# Altium PCB controller_V1.0.PcbDoc (part 5 of 8)
Units mm, origin at the board's own origin, x right, y up, seen from the top; angles counter-clockwise.
Board outline 284.13 x 175.13 mm, 4 copper layers (Top Layer, GND, VCC, Bottom Layer); 496 components, 415 nets, 1682 pads, 750 vias.
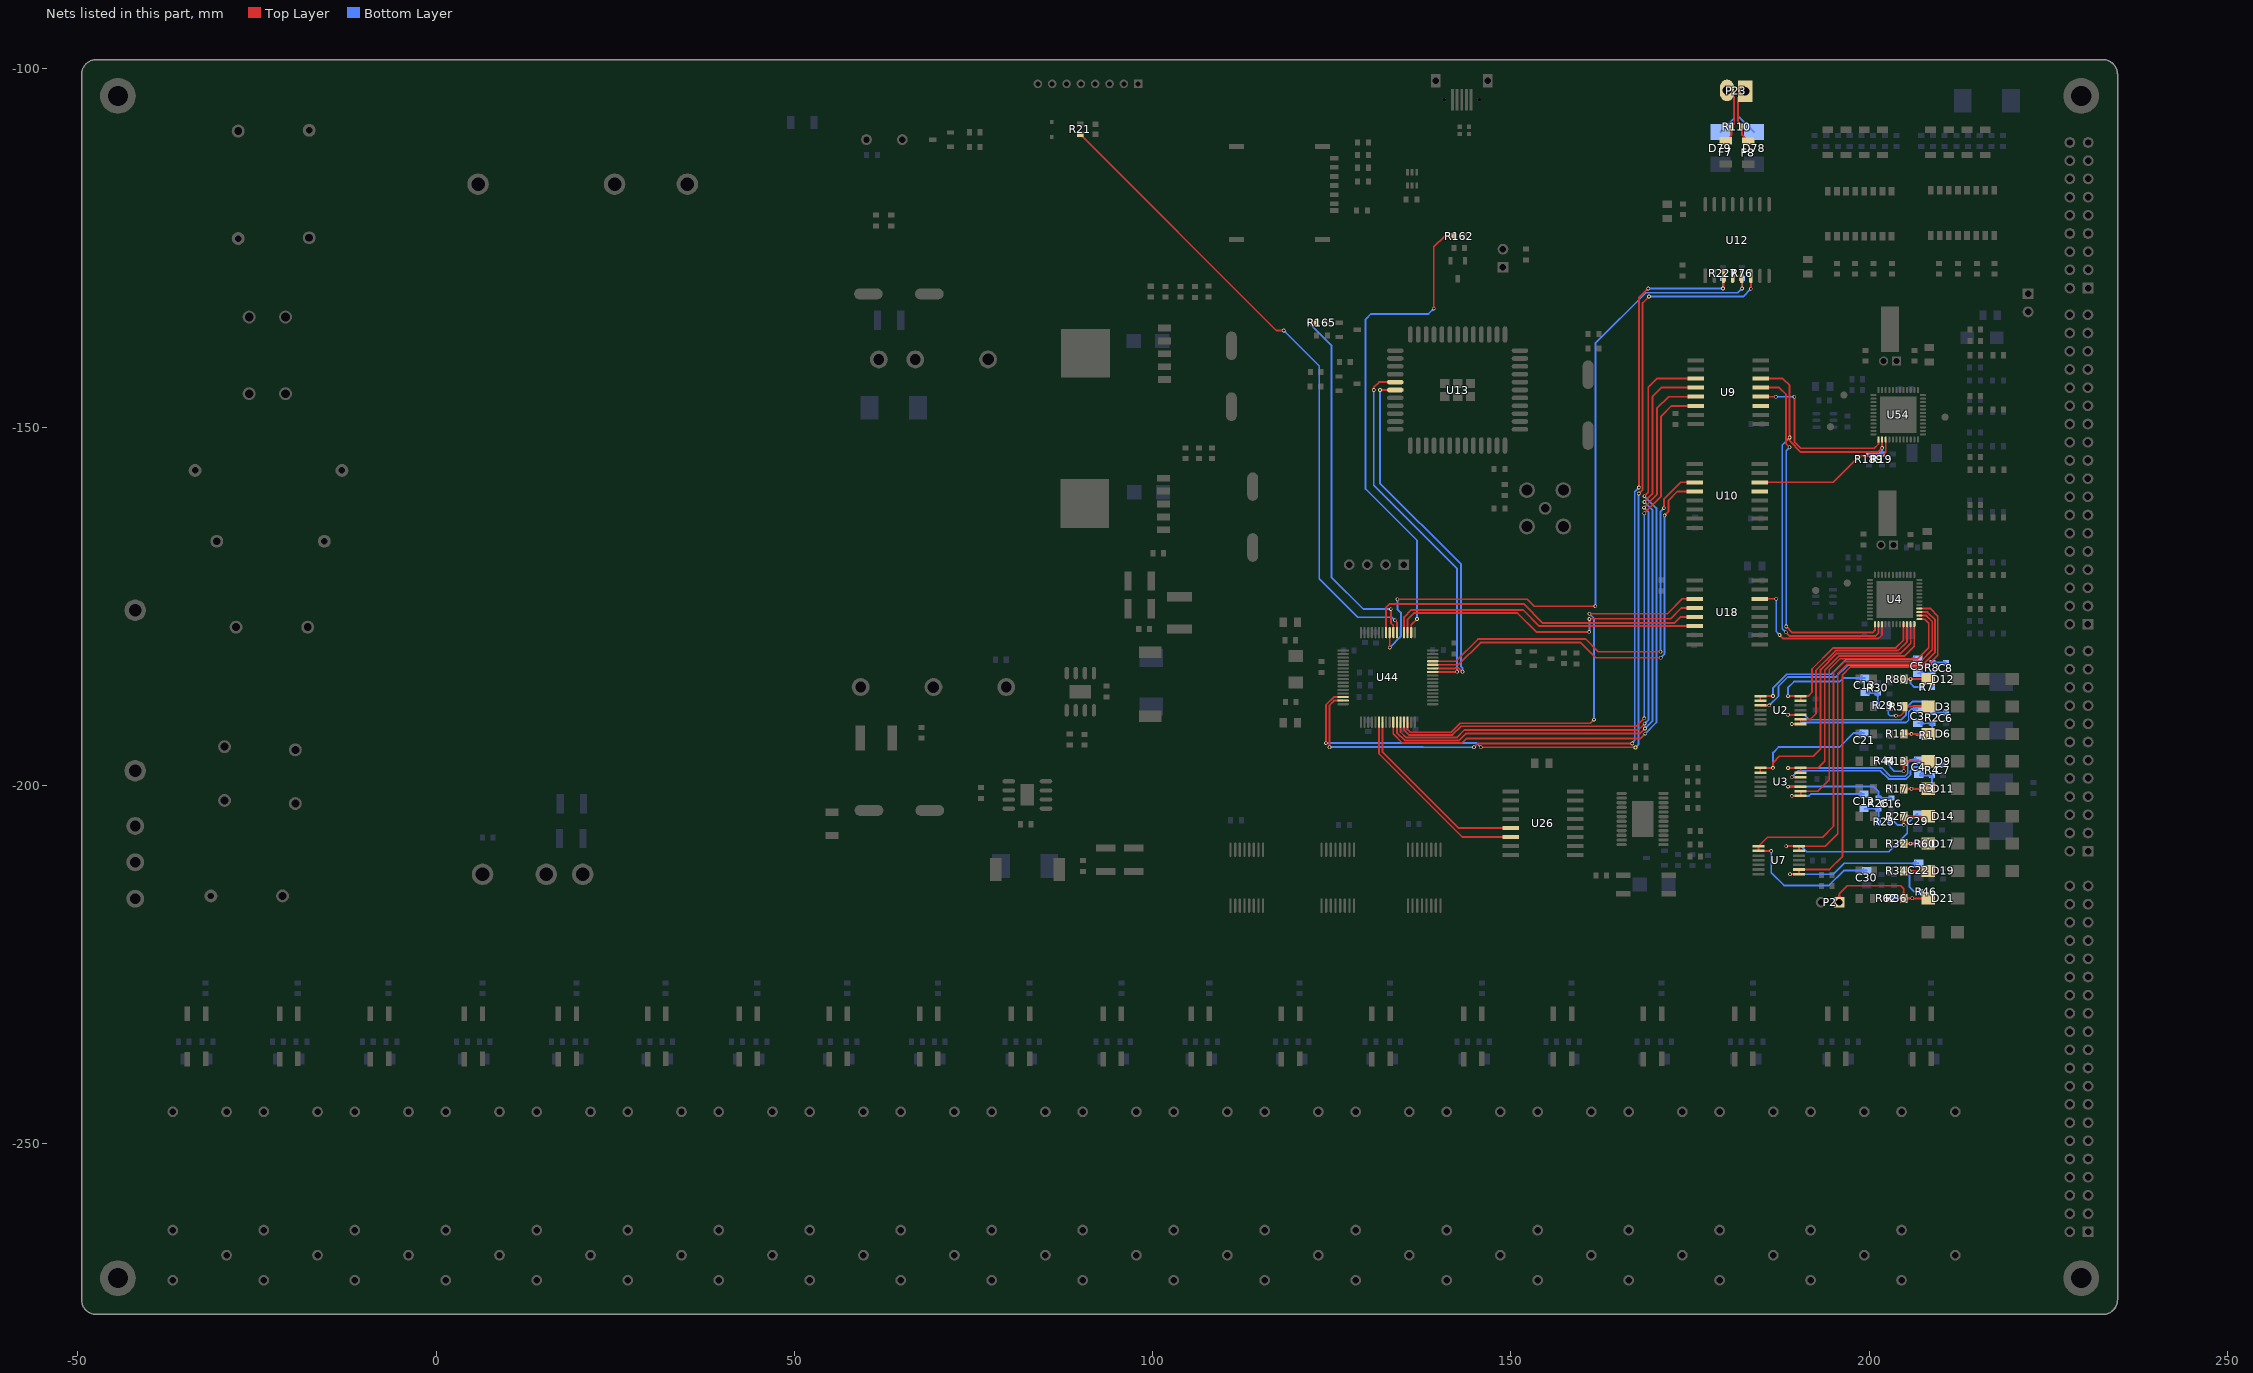
[diagram p7: the nets of this part, all layers, seen from the top]

## Via types
v1: diameter 0.508, hole 0.305, Top Layer to Bottom Layer, tented both sides, 596 vias
v2: diameter 1.016, hole 0.635, Top Layer to Bottom Layer, tented both sides, 65 vias
v3: diameter 0.6, hole 0.3, Top Layer to Bottom Layer, 50 vias
v4: diameter 0.762, hole 0.508, Top Layer to Bottom Layer, tented both sides, 29 vias
v5: diameter 2.032, hole 1.524, Top Layer to Bottom Layer, tented both sides, 4 vias
v6: diameter 3.048, hole 2.032, Top Layer to Bottom Layer, tented both sides, 3 vias
v7: diameter 1.5, hole 1, Top Layer to Bottom Layer, 2 vias
v8: diameter 2.54, hole 1.778, Top Layer to Bottom Layer, tented both sides, 1 vias

## Nets (pads, with @x,y where several pads share a name; then routed paths per layer and width w, separated by ;. In a path a pad name is that pad's centre, name@x,y a point inside that pad or via, vN(x,y) a via of type N, cw(c..) or ccw(c..) an arc to the next point about the centre after c; other vN are vias at no path point) (continued)
LCD_TX: R21.1 U44.54 | length 94.1
  Top Layer w0.254: R21.1@89.913,-109.156 117.282,-136.525 v1(118.313,-136.525) ; R21.1@89.977,-109.41 cw(c89.977,-109.87) 90.302,-109.545 ; R21.1@90.231,-109.156 ccw(c90.997,-109.156) 90.455,-109.699 ; v1@118.223,-136.615 ccw(c118.007,-136.832) 118.007,-136.525 ccw(c118.007,-136.218) v1@118.223,-136.435 ; v1@133.807,-177.089 cw(c133.807,-177.395) 134.024,-177.179 cw(c134.241,-176.962) v1@133.934,-176.962 ; v1(133.807,-176.962) 134.091,-177.246 U44.54@134.091,-178.678
  Bottom Layer w0.254: v1@118.313,-136.652 cw(c118.313,-136.959) 118.53,-136.742 cw(c118.747,-136.525) v1@118.44,-136.525 ; v1(118.313,-136.525) 123.266,-141.478 123.266,-171.171 128.651,-176.555 133.401,-176.555 v1(133.807,-176.962) ; v1@133.68,-176.962 ccw(c133.374,-176.962) 133.59,-176.745 ccw(c133.807,-176.528) v1@133.807,-176.835
LTE_MRX: U13.17 U44.42 | length 53.7
  Top Layer w0.254: v1@130.771,-144.741 ccw(c130.554,-144.524) 130.861,-144.524 ccw(c131.167,-144.524) v1@130.951,-144.741 ; v1(130.861,-144.831) 130.861,-144.475 131.605,-143.731 U13.17@133.868,-143.731 ; U13.17@132.903,-143.871 ccw(c132.565,-144.209) 132.565,-143.731 ccw(c132.565,-143.253) U13.17@132.903,-143.591 ; U44.42@139.091,-184.178 142.466,-184.178 v1(142.494,-184.15) ; 142.119,-184.178 ccw(c142.119,-183.775) v1@142.404,-184.06
  Bottom Layer w0.254: v1@130.771,-144.921 cw(c130.554,-145.137) 130.861,-145.137 cw(c131.167,-145.137) v1@130.951,-144.921 ; v1(130.861,-144.831) 130.861,-158.14 142.494,-169.774 v1(142.494,-184.15) ; v1@142.404,-184.06 ccw(c142.187,-183.843) 142.494,-183.843 ccw(c142.801,-183.843) v1@142.584,-184.06
LTE_MTX: U13.18 U44.43 | length 53.2
  Top Layer w0.254: v1(131.724,-144.831) U13.18@133.868,-144.831 ; v1@131.814,-144.921 cw(c132.031,-145.137) 132.031,-144.831 cw(c132.031,-144.524) v1@131.814,-144.741 ; U13.18@132.903,-144.971 ccw(c132.565,-145.309) 132.565,-144.831 ccw(c132.565,-144.353) U13.18@132.903,-144.691 ; U44.43@139.127,-183.642 U44.43@139.091,-183.678 142.247,-183.678 142.284,-183.642 142.704,-183.642 143.212,-184.15 v1(143.256,-184.15) ; 142.965,-183.902 ccw(c143.256,-183.611) v1@143.256,-184.023
  Bottom Layer w0.254: v1@131.635,-144.921 cw(c131.418,-145.137) 131.724,-145.137 cw(c132.031,-145.137) v1@131.814,-144.921 ; v1(131.724,-144.831) 131.724,-157.836 143.053,-169.164 143.053,-183.464 143.256,-183.667 v1(143.256,-184.15) ; v1@143.166,-184.06 ccw(c142.949,-183.843) 143.256,-183.843 ccw(c143.563,-183.843) v1@143.346,-184.06
LTE_PWR_CTRL: R162.1 U44.50 | length 72
  Top Layer w0.254: U44.50@136.091,-178.678 136.091,-177.599 v1(136.906,-176.784) ; v1@136.779,-176.784 cw(c136.472,-176.784) 136.689,-177.001 cw(c136.906,-177.218) v1@136.906,-176.911 ; v1@139.153,-133.387 ccw(c138.936,-133.17) 139.243,-133.17 ccw(c139.549,-133.17) v1@139.333,-133.387 ; v1(139.243,-133.477) 139.243,-124.866 140.741,-123.368 R162.1@142.06,-123.368 ; R162.1@141.902,-123.525 ccw(c141.521,-123.906) 141.521,-123.368 ccw(c141.521,-122.829) R162.1@141.902,-123.21
  Bottom Layer w0.254: v1@136.816,-176.694 ccw(c136.599,-176.477) 136.906,-176.477 ccw(c137.213,-176.477) v1@136.996,-176.694 ; v1(136.906,-176.784) 136.906,-165.837 129.718,-158.648 129.718,-134.976 130.48,-134.214 138.506,-134.214 v1(139.243,-133.477) ; v1@139.116,-133.477 cw(c138.809,-133.477) 139.026,-133.694 cw(c139.243,-133.911) v1@139.243,-133.604
LTE_RST: R165.1 U44.55 | length 54.2
  Top Layer w0.254: v1(121.818,-135.433) R165.1@122.883,-135.433 ; v1@121.908,-135.523 cw(c122.125,-135.739) 122.125,-135.433 cw(c122.125,-135.126) v1@121.908,-135.343 ; R165.1@122.725,-135.59 ccw(c122.344,-135.971) 122.344,-135.433 ccw(c122.344,-134.894) R165.1@122.725,-135.275 ; v1@133.159,-175.502 cw(c132.942,-175.719) 133.248,-175.719 cw(c133.555,-175.719) v1@133.338,-175.502 ; v1(133.248,-175.412) 133.248,-177.343 133.591,-177.685 U44.55@133.591,-178.678
  Bottom Layer w0.254: v1@121.818,-135.56 cw(c121.818,-135.866) 122.035,-135.65 cw(c122.252,-135.433) v1@121.945,-135.433 ; v1(121.818,-135.433) 124.959,-138.573 124.959,-170.942 129.429,-175.412 v1(133.248,-175.412) ; v1@133.159,-175.502 ccw(c132.942,-175.719) 132.942,-175.412 ccw(c132.942,-175.106) v1@133.159,-175.323
MAIN0: C5.2 U2.8 U2.9 | length 27.8
  Top Layer w0.254: U2.9@184.808,-188.192 U2.8@184.808,-187.542 186.585,-187.542 v1(186.588,-187.539) ; 186.273,-187.542 ccw(c186.273,-187.223) v1@186.499,-187.449 ; 186.291,-187.542 cw(c186.291,-187.836) v1@186.499,-187.628
  Bottom Layer w0.254: v1@186.499,-187.449 ccw(c186.282,-187.232) 186.588,-187.232 ccw(c186.895,-187.232) v1@186.678,-187.449 ; v1(186.588,-187.539) 186.588,-186.411 188.493,-184.506 194.716,-184.506 196.869,-182.353 C5.2@206.781,-182.353 ; C5.2@206.368,-182.617 ccw(c205.731,-183.254) 205.731,-182.353 ccw(c205.731,-181.453) C5.2@206.368,-182.089
MAIN1: C13.2 U2.6 U2.7 U4.33 | length 39
  Top Layer w0.254: v1(188.666,-187.546) 188.67,-187.542 U2.7@190.447,-187.542 ; v1@188.756,-187.636 cw(c188.982,-187.862) 188.982,-187.542 ; v1@188.756,-187.456 ccw(c188.963,-187.249) 188.963,-187.542 ; U2.6@190.447,-188.192 U2.7@190.447,-187.542 ; U4.33@204.795,-177.516 204.795,-179.761 203.733,-180.823 194.97,-180.823 192.024,-183.769 192.024,-186.995 191.476,-187.542 U2.7@190.447,-187.542
  Bottom Layer w0.254: v1@188.576,-187.456 ccw(c188.359,-187.24) 188.666,-187.24 ccw(c188.973,-187.24) v1@188.756,-187.456 ; v1(188.666,-187.546) 188.666,-186.365 189.509,-185.522 195.859,-185.522 196.352,-185.029 C13.2@199.413,-185.029 ; C13.2@198.999,-185.292 ccw(c198.362,-185.929) 198.362,-185.029 ccw(c198.362,-184.128) C13.2@198.999,-184.765
MAIN2: C3.2 U2.1 U2.2 U4.34 | length 48.4
  Top Layer w0.254: v1(189.207,-191.442) U2.1@190.447,-191.442 U2.2@190.447,-190.792 191.808,-190.792 192.583,-190.017 192.583,-183.941 195.321,-181.204 204.025,-181.204 205.295,-179.934 U4.34@205.295,-177.516 ; v1@189.297,-191.532 cw(c189.514,-191.749) 189.514,-191.442 cw(c189.514,-191.136) v1@189.297,-191.353
  Bottom Layer w0.254: v1(189.207,-191.442) 190.447,-191.442 190.652,-191.237 205.161,-191.237 205.511,-190.886 205.511,-189.713 205.877,-189.347 ; v1@189.297,-191.532 cw(c189.514,-191.749) 189.514,-191.442 cw(c189.514,-191.136) v1@189.297,-191.353 ; C3.2@206.335,-189.573 ccw(c205.877,-189.922) 205.877,-189.347 ; C3.2@206.335,-189.12 cw(c205.877,-188.771) 205.877,-189.347 ; C3.2@206.781,-189.347 205.877,-189.347
MAIN3: C21.2 U3.8 U3.9 U4.35 | length 57.3
  Top Layer w0.254: U3.9@184.808,-198.225 U3.8@184.808,-197.575 v1@186.585,-197.575 ; 186.273,-197.575 ccw(c186.273,-197.256) 186.499,-197.482 ccw(c186.291,-197.274) 186.585,-197.274 ; 186.291,-197.575 cw(c186.291,-197.869) v1@186.499,-197.661 ; 186.585,-197.256 ccw(c186.904,-197.256) v1@186.678,-197.482 ; v1(186.588,-197.572) v1@186.585,-197.575 ; U4.35@205.795,-177.516 205.795,-180.188 204.398,-181.585 195.478,-181.585 193.218,-183.845 193.218,-194.92 192.202,-195.936 187.474,-195.936 186.585,-196.825 v1@186.585,-197.575
  Bottom Layer w0.254: v1@186.499,-197.482 ccw(c186.282,-197.265) 186.588,-197.265 ccw(c186.895,-197.265) v1@186.678,-197.482 ; v1(186.588,-197.572) 186.588,-195.428 187.35,-194.666 195.859,-194.666 197.805,-192.72 C21.2@199.288,-192.72 ; C21.2@198.875,-192.983 ccw(c198.238,-193.62) 198.238,-192.72 ccw(c198.238,-191.819) C21.2@198.875,-192.456
MAIN4: C4.2 U3.6 U3.7 U4.36 | length 58.8
  Top Layer w0.254: v1(188.666,-197.579) 188.67,-197.575 U3.7@190.447,-197.575 ; v1@188.756,-197.669 cw(c188.982,-197.895) 188.982,-197.575 ; v1@188.756,-197.489 ccw(c188.963,-197.282) 188.963,-197.575 ; U3.6@190.447,-198.225 U3.7@190.447,-197.575 ; U4.36@206.295,-177.516 206.295,-180.569 204.898,-181.966 195.767,-181.966 193.802,-183.931 193.802,-196.647 192.873,-197.575 U3.7@190.447,-197.575
  Bottom Layer w0.254: v1(188.666,-197.579) 201.821,-197.579 202.971,-198.73 205.003,-198.73 205.384,-198.349 205.384,-196.825 205.759,-196.45 C4.2@206.906,-196.45 ; v1@188.756,-197.669 cw(c188.973,-197.886) 188.973,-197.579 cw(c188.973,-197.273) v1@188.756,-197.489 ; C4.2@206.492,-196.714 ccw(c205.855,-197.351) 205.855,-196.45 ccw(c205.855,-195.55) C4.2@206.492,-196.186
MAIN5: C12.2 U3.1 U3.2 U4.37 | length 54.6
  Top Layer w0.254: v1(189.207,-201.475) U3.1@190.447,-201.475 U3.2@190.447,-200.825 192.113,-200.825 192.849,-200.825 194.437,-199.238 194.437,-183.834 195.925,-182.347 206.781,-182.347 208.305,-180.823 208.305,-177.394 207.728,-176.816 U4.37@206.995,-176.816 ; v1@189.297,-201.565 cw(c189.514,-201.782) 189.514,-201.475 cw(c189.514,-201.169) v1@189.297,-201.386
  Bottom Layer w0.254: v1(189.207,-201.475) 191.59,-201.475 191.836,-201.229 C12.2@199.288,-201.229 ; v1@189.297,-201.565 cw(c189.514,-201.782) 189.514,-201.475 cw(c189.514,-201.169) v1@189.297,-201.386 ; C12.2@198.875,-201.492 ccw(c198.238,-202.129) 198.238,-201.229 ccw(c198.238,-200.328) C12.2@198.875,-200.965
MAIN6: C29.2 U4.39 U7.6 U7.7 | length 75.5
  Top Layer w0.254: v1(188.412,-208.501) 188.416,-208.497 U7.7@190.193,-208.497 ; v1@188.502,-208.591 cw(c188.728,-208.817) 188.728,-208.497 ; v1@188.502,-208.411 ccw(c188.709,-208.204) 188.709,-208.497 ; U7.6@190.193,-209.147 U7.7@190.193,-208.497 ; U4.39@206.995,-175.816 208.125,-175.816 209.194,-176.886 209.194,-181.458 207.543,-183.109 196.952,-183.109 195.605,-184.455 195.605,-206.756 193.864,-208.497 193.331,-208.497 U7.7@190.193,-208.497
  Bottom Layer w0.254: v1(188.412,-208.501) 190.518,-208.501 191.287,-209.271 202.717,-209.271 205.324,-206.664 205.324,-205.363 206.665,-204.023 C29.2@206.779,-204.023 ; v1@188.502,-208.591 cw(c188.719,-208.808) 188.719,-208.501 cw(c188.719,-208.195) v1@188.502,-208.411
MAIN7: C22.2 U4.40 U7.1 U7.2 | length 77.9
  Top Layer w0.254: v1(188.953,-212.397) U7.1@190.193,-212.397 U7.2@190.193,-211.747 192.494,-211.747 194.449,-211.747 196.291,-209.906 196.291,-184.556 197.358,-183.49 207.924,-183.49 209.575,-181.839 209.575,-176.378 208.514,-175.316 U4.40@206.995,-175.316 ; v1@189.043,-212.487 cw(c189.26,-212.704) 189.26,-212.397 cw(c189.26,-212.091) v1@189.043,-212.308
  Bottom Layer w0.254: v1(188.953,-212.397) 194.978,-212.397 196.494,-210.881 C22.2@206.906,-210.881 ; v1@189.043,-212.487 cw(c189.26,-212.704) 189.26,-212.397 cw(c189.26,-212.091) v1@189.043,-212.308 ; C22.2@206.492,-211.144 ccw(c205.855,-211.781) 205.855,-210.881 ccw(c205.855,-209.98) C22.2@206.492,-210.617
MAIN8: C30.2 U4.38 U7.8 U7.9 | length 77.1
  Top Layer w0.254: 186.019,-209.147 ccw(c186.019,-208.828) v1@186.245,-209.054 ; 186.037,-209.147 cw(c186.037,-209.441) v1@186.245,-209.233 ; v1(186.334,-209.144) 186.331,-209.147 U7.9@184.554,-209.147 U7.8@184.554,-208.497 185.813,-207.239 193.497,-207.239 195.021,-205.715 195.021,-184.201 196.494,-182.728 207.162,-182.728 208.813,-181.077 208.813,-177.14 207.99,-176.316 U4.38@206.995,-176.316
  Bottom Layer w0.254: v1@186.245,-209.233 cw(c186.028,-209.45) 186.334,-209.45 cw(c186.641,-209.45) v1@186.424,-209.233 ; v1(186.334,-209.144) 186.334,-212.192 188.112,-213.97 194.396,-213.97 196.469,-211.897 C30.2@199.669,-211.897 ; C30.2@199.256,-212.16 ccw(c198.619,-212.797) 198.619,-211.897 ccw(c198.619,-210.996) C30.2@199.256,-211.633
MB_RX1: R227.1 U12.3 U44.15 | length 135.7
  Top Layer w0.254: v1@124.599,-194.601 ccw(c124.382,-194.384) 124.689,-194.384 ccw(c124.995,-194.384) v1@124.778,-194.601 ; v1(124.689,-194.691) 124.689,-188.824 125.334,-188.178 U44.15@126.591,-188.178 ; v1(144.856,-194.691) 145.39,-194.158 v1(166.929,-194.158) ; v1@144.856,-194.564 ccw(c144.856,-194.257) 145.073,-194.474 ccw(c145.29,-194.691) v1@144.983,-194.691 ; v1@166.839,-194.247 ccw(c166.622,-194.464) 166.622,-194.158 ccw(c166.622,-193.851) v1@166.839,-194.068 ; v1@167.779,-158.355 ccw(c167.562,-158.139) 167.869,-158.139 ccw(c168.175,-158.139) v1@167.958,-158.355 ; v1(167.869,-158.445) 167.869,-131.953 v1@169.113,-130.708 ; v1@169.037,-130.658 cw(c168.73,-130.658) 168.947,-130.874 cw(c169.164,-131.091) v1@169.164,-130.785 ; v1@179.514,-130.568 ccw(c179.119,-130.173) 179.677,-130.173 ; U12.3@179.59,-129.742 cw(c179.38,-129.952) 179.677,-129.952 cw(c179.974,-129.952) U12.3@179.764,-129.742 ; v1@179.677,-130.584 U12.3@179.677,-128.905
  Bottom Layer w0.254: v1@124.714,-194.666 137.726,-194.666 ; v1@124.778,-194.781 cw(c125.057,-195.059) 125.057,-194.666 ; 137.751,-194.691 v1(144.856,-194.691) ; v1@144.766,-194.781 ccw(c144.55,-194.998) 144.55,-194.691 ccw(c144.55,-194.384) v1@144.766,-194.601 ; v1(166.929,-194.158) 166.929,-194.056 167.284,-193.7 167.284,-159.029 v1(167.869,-158.445) ; v1@167.056,-194.158 cw(c167.608,-194.158) 167.217,-193.767 ; v1@167.742,-158.445 cw(c167.435,-158.445) 167.652,-158.662 cw(c167.869,-158.879) v1@167.869,-158.572 ; v1@169.113,-130.708 v1(169.164,-130.658) v1(179.603,-130.658) R227.1@179.603,-129.261 ; v1@169.254,-130.747 cw(c169.471,-130.964) 169.471,-130.658 cw(c169.471,-130.351) v1@169.254,-130.568 ; R227.1@179.446,-129.418 cw(c179.065,-129.799) 179.603,-129.799 cw(c180.142,-129.799) R227.1@179.761,-129.418 ; v1@179.514,-130.747 ccw(c179.297,-130.964) 179.297,-130.658 ccw(c179.297,-130.351) 179.514,-130.568 ccw(c179.297,-130.351) 179.603,-130.351 ccw(c179.91,-130.351) v1@179.693,-130.568
MB_RX1_N: D79.2 F7.2 P23.2 R110.1 | length 14.5
  Top Layer w0.254: P23.2@180.16,-103.024 181.176,-104.04 181.176,-107.671 R110.1@180.769,-108.077 180.769,-109.247 ccw(c181.109,-109.587) F7.2@180.7,-109.839
  Bottom Layer w0.254: D79.2@179.245,-108.835 181.178,-106.902 181.178,-104.043 P23.2@180.16,-103.024
MB_RX1_P: D78.2 F8.2 P23.1 R110.2 | length 16.7
  Top Layer w0.254: R110.2@182.112,-108.31 cw(c181.731,-108.69) 182.269,-108.69 cw(c182.808,-108.69) R110.2@182.427,-108.31 ; 182.403,-109.357 cw(c181.854,-109.906) F8.2@182.615,-110.061 ; P23.1@182.7,-103.124 181.684,-104.14 181.684,-107.491 R110.2@182.269,-108.077 182.269,-109.223 F8.2@183.131,-110.085
  Bottom Layer w0.254: P23.1@182.7,-103.124 181.686,-104.137 181.686,-106.577 D78.2@183.944,-108.835
MB_RXEN1: R76.1 U12.4 U12.5 U44.56 | length 109
  Top Layer w0.254: v1@133.001,-180.687 ccw(c132.784,-180.47) 133.091,-180.47 ccw(c133.398,-180.47) v1@133.181,-180.687 ; v1(133.091,-180.777) U44.56@133.091,-178.678 ; v1(134.163,-174.041) 152.298,-174.041 153.264,-175.006 v1(161.798,-175.006) ; v1@134.253,-174.131 cw(c134.469,-174.347) 134.469,-174.041 cw(c134.469,-173.734) v1@134.253,-173.951 ; v1@161.708,-175.096 ccw(c161.491,-175.313) 161.491,-175.006 ccw(c161.491,-174.699) v1@161.708,-174.916 ; U12.4@180.947,-128.905 U12.5@182.217,-128.905 182.217,-130.604 v1(182.27,-130.658) ; U12.4@181.034,-128.992 cw(c181.244,-129.202) 181.244,-128.905 cw(c181.244,-128.608) U12.4@181.034,-128.818 ; U12.5@182.13,-129.742 cw(c181.92,-129.952) 182.217,-129.952 cw(c182.514,-129.952) U12.5@182.304,-129.742 ; U12.5@182.13,-128.992 ccw(c181.92,-129.202) 181.92,-128.905 ccw(c181.92,-128.608) U12.5@182.13,-128.818 ; 182.217,-130.222 ccw(c182.706,-130.222) v1@182.36,-130.568
  Bottom Layer w0.254: v1(133.091,-180.777) 134.645,-179.222 134.645,-175.888 134.163,-175.405 v1(134.163,-174.041) ; v1@133.091,-180.65 ccw(c133.091,-180.343) 133.308,-180.56 ccw(c133.525,-180.777) v1@133.218,-180.777 ; v1@134.073,-174.131 cw(c133.856,-174.347) 134.163,-174.347 cw(c134.469,-174.347) v1@134.253,-174.131 ; v1@161.708,-174.916 ccw(c161.491,-174.699) 161.798,-174.699 ccw(c162.105,-174.699) v1@161.888,-174.916 ; v1(161.798,-175.006) 161.798,-138.328 168.859,-131.267 181.661,-131.267 v1(182.27,-130.658) R76.1@182.27,-129.261 ; R76.1@182.113,-129.418 cw(c181.732,-129.799) 182.27,-129.799 cw(c182.809,-129.799) R76.1@182.428,-129.418 ; v1@182.143,-130.658 cw(c181.837,-130.658) 182.054,-130.874 cw(c182.27,-131.091) v1@182.27,-130.785 ; v1@182.181,-130.568 ccw(c181.964,-130.351) 182.27,-130.351 ccw(c182.577,-130.351) v1@182.36,-130.568
MB_TX1: U12.6 U44.14 | length 137.8
  Top Layer w0.254: v1@124.091,-194.017 ccw(c123.874,-193.8) 124.181,-193.8 ccw(c124.487,-193.8) v1@124.27,-194.017 ; v1(124.181,-194.107) 124.181,-188.793 125.295,-187.678 U44.14@126.591,-187.678 U44.14@126.583,-187.67 ; v1(145.796,-194.691) 167.361,-194.691 v1(167.386,-194.716) ; v1@145.886,-194.781 cw(c146.103,-194.998) 146.103,-194.691 cw(c146.103,-194.384) v1@145.886,-194.601 ; 167.018,-194.691 cw(c167.018,-195.084) v1@167.296,-194.806 ; v1(167.843,-159.283) 168.377,-158.75 168.377,-132.688 v1(169.277,-131.788) ; v1@167.843,-159.156 ccw(c167.843,-158.85) 168.06,-159.067 ccw(c168.277,-159.283) v1@167.97,-159.283 ; v1@169.15,-131.788 cw(c168.843,-131.788) 169.06,-132.005 cw(c169.277,-132.221) v1@169.277,-131.915 ; v1@183.397,-130.619 ccw(c183.18,-130.402) 183.487,-130.402 ccw(c183.794,-130.402) v1@183.577,-130.619 ; U12.6@183.4,-129.742 cw(c183.19,-129.952) 183.487,-129.952 cw(c183.784,-129.952) U12.6@183.574,-129.742 ; v1(183.487,-130.708) U12.6@183.487,-128.905
  Bottom Layer w0.254: v1(124.181,-194.107) 145.212,-194.107 v1(145.796,-194.691) ; v1@124.27,-194.197 cw(c124.487,-194.413) 124.487,-194.107 cw(c124.487,-193.8) v1@124.27,-194.017 ; v1@145.669,-194.691 ccw(c145.362,-194.691) 145.579,-194.474 ccw(c145.796,-194.257) v1@145.796,-194.564 ; v1(167.386,-194.716) 167.792,-194.31 167.792,-159.334 v1(167.843,-159.283) ; v1@167.386,-194.589 ccw(c167.386,-194.283) 167.603,-194.5 ccw(c167.82,-194.716) v1@167.513,-194.716 ; 167.792,-159.713 cw(c168.272,-159.713) v1@167.933,-159.373 ; v1(169.277,-131.788) 182.408,-131.788 v1(183.487,-130.708) ; v1@169.367,-131.878 cw(c169.584,-132.094) 169.584,-131.788 cw(c169.584,-131.481) v1@169.367,-131.698 ; v1@183.36,-130.708 cw(c183.053,-130.708) 183.27,-130.925 cw(c183.487,-131.142) v1@183.487,-130.835
MC\S\1: U4.27 U18.14 | length 27.2
  Top Layer w0.254: U18.14@184.732,-173.965 v1(187.02,-173.965) ; U18.14@185.716,-174.072 cw(c185.976,-174.333) 185.976,-173.965 cw(c185.976,-173.597) U18.14@185.716,-173.857 ; v1@186.93,-174.054 ccw(c186.714,-174.271) 186.714,-173.965 ccw(c186.714,-173.658) v1@186.93,-173.875 ; v1@187.503,-179.146 cw(c187.503,-179.453) 187.72,-179.236 cw(c187.936,-179.019) v1@187.63,-179.019 ; v1(187.503,-179.019) 188.011,-179.527 190.627,-179.527 ; 190.043,-179.527 190.627,-179.527 ; 197.942,-179.527 198.272,-179.527 ; U4.27@201.795,-177.516 201.795,-179.027 201.295,-179.527 198.272,-179.527 ; 190.627,-179.527 198.272,-179.527
  Bottom Layer w0.254: v1@186.93,-174.054 cw(c186.714,-174.271) 187.02,-174.271 cw(c187.327,-174.271) v1@187.11,-174.054 ; v1@187.02,-173.99 187.02,-178.537 v1(187.503,-179.019) ; v1@187.376,-179.019 ccw(c187.069,-179.019) 187.286,-178.802 ccw(c187.503,-178.586) v1@187.503,-178.892
MC\S\_PT1: U10.14 U54.27 | length 21.7
  Top Layer w0.254: U10.14@184.732,-157.709 194.996,-157.709 198.679,-154.026 201.778,-154.026 202.311,-153.492 202.311,-151.743 U54.27@202.303,-151.735 ; U10.14@185.716,-157.816 cw(c185.976,-158.077) 185.976,-157.709 cw(c185.976,-157.341) U10.14@185.716,-157.601
MC\S\_PT2: U10.13
MD\R\D\Y\: U4.25 U9.5 | length 52.9
  Top Layer w0.254: U9.5@184.859,-144.501 187.452,-144.501 188.392,-145.44 188.392,-152.324 v1(188.9,-152.832) ; U9.5@185.843,-144.608 cw(c186.103,-144.869) 186.103,-144.501 cw(c186.103,-144.133) U9.5@185.843,-144.393 ; v1@188.417,-177.952 cw(c188.417,-178.259) 188.634,-178.042 cw(c188.851,-177.825) v1@188.544,-177.825 ; v1(188.417,-177.825) 189.281,-178.689 200.482,-178.689 200.795,-178.376 U4.25@200.795,-177.516 ; v1@188.773,-152.832 ccw(c188.466,-152.832) 188.683,-152.615 ccw(c188.9,-152.398) v1@188.9,-152.705
  Bottom Layer w0.254: v1@188.327,-177.736 ccw(c188.111,-177.519) 188.417,-177.519 ccw(c188.724,-177.519) v1@188.507,-177.736 ; v1(188.417,-177.825) 188.417,-154.356 188.417,-153.314 v1(188.9,-152.832) ; v1@188.773,-152.832 cw(c188.466,-152.832) 188.683,-153.049 cw(c188.9,-153.265) v1@188.9,-152.959
MD\R\D\Y\_MCU: U9.12 U44.27 | length 95
  Top Layer w0.254: U44.27@134.091,-191.178 134.091,-192.638 135.179,-193.726 142.773,-193.726 143.713,-192.786 162.89,-192.786 ; 163.855,-192.786 162.89,-192.786 ; v1@168.58,-192.075 cw(c168.273,-192.075) 168.49,-192.292 cw(c168.707,-192.508) v1@168.707,-192.202 ; v1(168.631,-160.452) 169.748,-159.334 169.748,-145.745 170.993,-144.501 U9.12@175.816,-144.501 ; v1@168.631,-160.325 ccw(c168.631,-160.018) 168.847,-160.235 ccw(c169.064,-160.452) v1@168.758,-160.452 ; v1(168.707,-192.075) 167.996,-192.786 167.488,-192.786 162.89,-192.786 ; U9.12@174.832,-144.608 ccw(c174.572,-144.869) 174.572,-144.501 ccw(c174.572,-144.133) U9.12@174.832,-144.393
  Bottom Layer w0.254: v1@168.631,-160.579 cw(c168.631,-160.885) 168.847,-160.669 cw(c169.064,-160.452) v1@168.758,-160.452 ; v1(168.631,-160.452) 169.774,-161.595 169.774,-191.008 v1(168.707,-192.075) ; v1@168.707,-191.948 ccw(c168.707,-191.641) 168.924,-191.858 ccw(c169.14,-192.075) v1@168.834,-192.075
MD\R\D\Y\_PT1: U9.4 U54.25 | length 26.5
  Top Layer w0.254: U9.4@184.859,-145.771 v1(186.969,-145.771) ; U9.4@185.843,-145.878 cw(c186.103,-146.139) 186.103,-145.771 cw(c186.103,-145.403) U9.4@185.843,-145.663 ; v1@186.88,-145.86 ccw(c186.663,-146.077) 186.663,-145.771 ccw(c186.663,-145.464) v1@186.88,-145.681 ; v1@189.47,-145.86 cw(c189.254,-146.077) 189.56,-146.077 cw(c189.867,-146.077) v1@189.65,-145.86 ; v1(189.56,-145.771) 189.56,-152.039 190.48,-152.959 200.711,-152.959 201.303,-152.367 U54.25@201.303,-151.735
  Bottom Layer w0.254: v1(186.969,-145.771) v1(189.56,-145.771) ; v1@187.059,-145.86 cw(c187.276,-146.077) 187.276,-145.771 cw(c187.276,-145.464) v1@187.059,-145.681 ; v1@189.47,-145.86 ccw(c189.254,-146.077) 189.254,-145.771 ccw(c189.254,-145.464) v1@189.47,-145.681
MD\R\D\Y\_PT1_MCU: U9.13 U44.28 | length 90.7
  Top Layer w0.254: U44.28@134.591,-191.178 134.591,-192.554 135.382,-193.345 142.418,-193.345 143.485,-192.278 164.16,-192.278 ; 164.389,-192.278 164.16,-192.278 ; v1@168.529,-191.389 cw(c168.222,-191.389) 168.439,-191.606 cw(c168.656,-191.823) v1@168.656,-191.516 ; v1(168.58,-161.239) 170.383,-159.436 170.383,-147.396 172.009,-145.771 U9.13@175.816,-145.771 ; v1@168.58,-161.112 ccw(c168.58,-160.806) 168.797,-161.022 ccw(c169.013,-161.239) v1@168.707,-161.239 ; v1(168.656,-191.389) 167.767,-192.278 164.16,-192.278 ; U9.13@174.832,-145.878 ccw(c174.572,-146.139) 174.572,-145.771 ccw(c174.572,-145.403) U9.13@174.832,-145.663
  Bottom Layer w0.254: v1@168.58,-161.366 cw(c168.58,-161.673) 168.797,-161.456 cw(c169.013,-161.239) v1@168.707,-161.239 ; v1(168.58,-161.239) 169.215,-161.874 169.215,-190.83 v1(168.656,-191.389) ; v1@168.656,-191.262 ccw(c168.656,-190.955) 168.873,-191.172 ccw(c169.09,-191.389) v1@168.783,-191.389
MD\R\D\Y\_PT2: U9.3
MD\R\D\Y\_PT2_MCU: U9.14 U44.29 | length 87
  Top Layer w0.254: U44.29@135.091,-191.178 135.091,-192.292 135.763,-192.964 141.834,-192.964 143.053,-191.745 167.513,-191.745 v1(168.605,-190.652) ; v1@168.478,-190.652 cw(c168.172,-190.652) 168.388,-190.869 cw(c168.605,-191.086) v1@168.605,-190.779 ; v1(168.605,-162.027) 170.967,-159.664 170.967,-148.488 172.415,-147.041 U9.14@175.816,-147.041 ; v1@168.605,-161.9 ccw(c168.605,-161.593) 168.822,-161.81 ccw(c169.039,-162.027) v1@168.732,-162.027 ; U9.14@174.832,-147.148 ccw(c174.572,-147.409) 174.572,-147.041 ccw(c174.572,-146.673) U9.14@174.832,-146.933
  Bottom Layer w0.254: v1@168.515,-190.563 ccw(c168.299,-190.346) 168.605,-190.346 ccw(c168.912,-190.346) v1@168.695,-190.563 ; v1@168.515,-162.116 cw(c168.299,-162.333) 168.605,-162.333 cw(c168.912,-162.333) v1@168.695,-162.116 ; v1(168.605,-190.652) v1(168.605,-162.027)
MIBSPI1CLK: U18.4 U44.51 | length 48
  Top Layer w0.254: U44.51@135.591,-178.678 135.591,-176.829 136.449,-175.971 150.927,-175.971 153.543,-178.587 v1(160.934,-178.587) ; v1@160.845,-178.677 ccw(c160.628,-178.894) 160.628,-178.587 ccw(c160.628,-178.281) v1@160.845,-178.498 ; v1@160.96,-176.759 172.288,-176.759 173.812,-175.235 U18.4@175.689,-175.235 ; v1@161.05,-176.874 cw(c161.328,-177.152) 161.328,-176.759 ; U18.4@174.705,-175.342 ccw(c174.445,-175.603) 174.445,-175.235 ccw(c174.445,-174.867) U18.4@174.705,-175.127
  Bottom Layer w0.254: v1@160.845,-178.498 ccw(c160.566,-178.219) 160.96,-178.219 ; v1@160.87,-176.874 cw(c160.653,-177.091) 160.96,-177.091 cw(c161.266,-177.091) v1@161.05,-176.874 ; v1@160.96,-178.587 v1(160.96,-176.784)
MIBSPI1MCS1: U18.3 U44.30 | length 61.1
  Top Layer w0.254: U44.30@135.591,-191.178 135.591,-192.208 135.966,-192.583 141.676,-192.583 142.92,-191.338 161.087,-191.338 v1(161.595,-190.83) ; v1(160.96,-176.047) 171.856,-176.047 173.939,-173.965 U18.3@175.689,-173.965 ; v1@161.05,-176.137 cw(c161.266,-176.354) 161.266,-176.047 cw(c161.266,-175.741) v1@161.05,-175.958 ; v1@161.468,-190.83 cw(c161.161,-190.83) 161.378,-191.047 cw(c161.595,-191.264) v1@161.595,-190.957 ; U18.3@174.705,-174.072 ccw(c174.445,-174.333) 174.445,-173.965 ccw(c174.445,-173.597) U18.3@174.705,-173.857
  Bottom Layer w0.254: v1@160.96,-176.174 cw(c160.96,-176.481) 161.177,-176.264 cw(c161.393,-176.047) v1@161.087,-176.047 ; v1(160.96,-176.047) 161.595,-176.682 v1(161.595,-190.83) ; v1@161.505,-190.74 ccw(c161.288,-190.524) 161.595,-190.524 ccw(c161.901,-190.524) v1@161.685,-190.74
MIBSPI1MCS2: U10.3 U44.45 | length 63.1
  Top Layer w0.254: U44.45@139.091,-182.678 142.315,-182.678 145.415,-179.578 159.283,-179.578 160.426,-179.578 162.204,-181.356 v1(170.891,-181.356) ; v1@170.801,-181.446 ccw(c170.585,-181.663) 170.585,-181.356 ccw(c170.585,-181.049) v1@170.801,-181.266 ; v1@171.259,-161.226 ccw(c171.042,-161.009) 171.348,-161.009 ccw(c171.655,-161.009) v1@171.438,-161.226 ; v1(171.348,-161.315) 171.348,-160.071 173.711,-157.709 U10.3@175.689,-157.709 ; U10.3@174.705,-157.816 ccw(c174.445,-158.077) 174.445,-157.709 ccw(c174.445,-157.341) U10.3@174.705,-157.601
  Bottom Layer w0.254: v1@170.801,-181.266 ccw(c170.585,-181.049) 170.891,-181.049 ccw(c171.198,-181.049) v1@170.981,-181.266 ; v1(170.891,-181.356) 170.891,-161.773 v1(171.348,-161.315) ; v1@171.221,-161.315 cw(c170.915,-161.315) 171.132,-161.532 cw(c171.348,-161.749) v1@171.348,-161.442
MIBSPI1MCS3: U10.4 U44.44 | length 63.1
  Top Layer w0.254: U44.44@139.091,-183.178 142.678,-183.178 145.771,-180.086 159.156,-180.086 159.741,-180.086 161.849,-182.194 v1(170.917,-182.194) ; v1@170.827,-182.284 ccw(c170.61,-182.501) 170.61,-182.194 ccw(c170.61,-181.888) v1@170.827,-182.104 ; v1(171.45,-162.331) 172.009,-161.773 172.009,-160.223 173.253,-158.979 U10.4@175.689,-158.979 ; v1@171.45,-162.204 ccw(c171.45,-161.898) 171.667,-162.115 ccw(c171.884,-162.331) v1@171.577,-162.331 ; U10.4@174.705,-159.086 ccw(c174.445,-159.347) 174.445,-158.979 ccw(c174.445,-158.611) U10.4@174.705,-158.871
  Bottom Layer w0.254: v1(170.917,-182.194) 171.45,-181.661 v1(171.45,-162.331) ; v1@170.917,-182.067 ccw(c170.917,-181.761) 171.133,-181.977 ccw(c171.35,-182.194) v1@171.044,-182.194 ; v1@171.36,-162.421 cw(c171.143,-162.638) 171.45,-162.638 cw(c171.757,-162.638) v1@171.54,-162.421
MIBSPI1SIMO: U18.5 U44.57 | length 48.9
  Top Layer w0.254: U44.57@132.591,-178.678 132.591,-175.638 132.591,-175.155 133.071,-174.676 151.765,-174.676 154.457,-177.368 172.822,-177.368 173.66,-176.53 ; 173.66,-176.505 U18.5@175.689,-176.505 ; U18.5@174.705,-176.612 ccw(c174.445,-176.873) 174.445,-176.505 ccw(c174.445,-176.137) U18.5@174.705,-176.397
MIBSPI1SOMI: U18.6 U44.52 | length 44.7
  Top Layer w0.254: U44.52@135.091,-178.678 135.091,-176.516 136.093,-175.514 151.689,-175.514 153.949,-177.775 161.874,-177.775 U18.6@175.689,-177.775 ; U18.6@174.705,-177.882 ccw(c174.445,-178.143) 174.445,-177.775 ccw(c174.445,-177.407) U18.6@174.705,-177.667
MISO_AO_MCU: U26.6 U44.22 | length 28.2
  Top Layer w0.254: U44.22@131.591,-191.178 131.591,-192.71 131.599,-192.718 131.599,-195.441 131.591,-195.449 131.591,-195.599 143.205,-207.213 U26.6@149.959,-207.213 ; U26.6@148.975,-207.321 ccw(c148.715,-207.581) 148.715,-207.213 ccw(c148.715,-206.845) U26.6@148.975,-207.105
MOSI_AO_MCU: U26.5 U44.23 | length 27
  Top Layer w0.254: U44.23@132.091,-191.178 132.091,-195.362 142.672,-205.943 145.669,-205.943 U26.5@149.959,-205.943 ; U26.5@148.975,-206.051 ccw(c148.715,-206.311) 148.715,-205.943 ccw(c148.715,-205.575) U26.5@148.975,-205.835
MSR0: D12.2 R7.2 R80.2 | length 9.5
  Top Layer w0.254: R80.2@204.816,-185.174 v1(205.765,-185.174) D12.2@208.259,-185.174 ; R80.2@205.08,-185.438 cw(c205.717,-186.075) 205.717,-185.174 cw(c205.717,-184.274) R80.2@205.08,-184.911 ; v1@205.676,-185.264 ccw(c205.459,-185.481) 205.459,-185.174 ccw(c205.459,-184.868) v1@205.676,-185.085 ; v1@205.855,-185.264 cw(c206.072,-185.481) 206.072,-185.174 cw(c206.072,-184.868) v1@205.855,-185.085
  Bottom Layer w0.254: v1@205.676,-185.264 cw(c205.459,-185.481) 205.765,-185.481 cw(c206.072,-185.481) v1@205.855,-185.264 ; v1(205.765,-185.174) 205.765,-185.776 206.273,-186.284 R7.2@207.313,-186.284 ; R7.2@207.156,-186.441 ccw(c206.775,-186.822) 206.775,-186.284 ccw(c206.775,-185.745) R7.2@207.156,-186.126
MSR1: D3.2 R5.2 R29.2 | length 12
  Top Layer w0.254: v1@203.606,-190.281 v1(203.733,-190.281) 204.368,-190.281 204.816,-189.833 ; v1@203.823,-190.37 cw(c204.04,-190.587) 204.04,-190.281 cw(c204.04,-189.974) v1@203.823,-190.191 ; R5.2@204.615,-189.464 cw(c204.379,-189.833) 204.816,-189.833 ; R5.2@205.018,-189.464 ccw(c205.254,-189.833) 204.816,-189.833 ; R5.2@205.08,-189.264 cw(c205.717,-189.901) 205.717,-189 cw(c205.717,-188.1) R5.2@205.08,-188.737 ; D3.2@208.259,-189 R5.2@204.816,-189 204.816,-189.833
  Bottom Layer w0.254: R29.2@202.536,-189.056 cw(c202.223,-189.369) 202.665,-189.369 ; 202.665,-189.505 cw(c203.299,-189.505) R29.2@202.851,-189.056 ; R29.2@202.665,-188.984 202.665,-190.042 202.904,-190.281 v1(203.733,-190.281) ; v1@203.644,-190.37 ccw(c203.427,-190.587) 203.427,-190.281 ccw(c203.427,-189.974) v1@203.644,-190.191
MSR2: D6.2 R1.2 R11.2 | length 8.6
  Top Layer w0.254: R11.2@204.816,-192.826 v1(205.892,-192.826) D6.2@208.259,-192.826 ; R11.2@205.08,-193.09 cw(c205.717,-193.727) 205.717,-192.826 cw(c205.717,-191.926) R11.2@205.08,-192.562 ; v1@205.803,-192.916 ccw(c205.586,-193.133) 205.586,-192.826 ccw(c205.586,-192.52) v1@205.803,-192.736 ; v1@205.982,-192.916 cw(c206.199,-193.133) 206.199,-192.826 cw(c206.199,-192.52) v1@205.982,-192.736
  Bottom Layer w0.254: v1(205.892,-192.826) 206.466,-192.826 206.654,-193.015 R1.2@207.313,-193.015 ; v1@205.982,-192.916 cw(c206.199,-193.133) 206.199,-192.826 cw(c206.199,-192.52) v1@205.982,-192.736 ; R1.2@207.156,-193.172 ccw(c206.775,-193.553) 206.775,-193.015 ccw(c206.775,-192.476) R1.2@207.156,-192.857
MSR3: D9.2 R13.2 R44.2 | length 12.5
  Top Layer w0.254: R13.2@204.553,-197.066 cw(c203.916,-197.703) 204.816,-197.703 cw(c205.717,-197.703) R13.2@205.08,-197.066 ; v1@204.727,-197.938 ccw(c204.51,-197.721) 204.816,-197.721 ccw(c205.123,-197.721) v1@204.906,-197.938 ; v1(204.816,-198.028) R13.2@204.816,-196.652 D9.2@208.259,-196.652 ; R13.2@205.08,-196.916 cw(c205.717,-197.553) 205.717,-196.652 cw(c205.717,-195.752) R13.2@205.08,-196.388
  Bottom Layer w0.254: R44.2@202.79,-196.803 cw(c202.409,-197.184) 202.947,-197.184 cw(c203.486,-197.184) R44.2@203.105,-196.803 ; R44.2@202.947,-196.571 202.947,-197.496 203.479,-198.028 v1(204.816,-198.028) ; v1@204.727,-198.117 ccw(c204.51,-198.334) 204.51,-198.028 ccw(c204.51,-197.721) v1@204.727,-197.938
MSR4: D11.2 R3.2 R17.2 | length 8.6
  Top Layer w0.254: R17.2@204.816,-200.478 v1(205.892,-200.478) D11.2@208.259,-200.478 ; R17.2@205.08,-200.742 cw(c205.717,-201.378) 205.717,-200.478 cw(c205.717,-199.577) R17.2@205.08,-200.214 ; v1@205.803,-200.568 ccw(c205.586,-200.785) 205.586,-200.478 ccw(c205.586,-200.171) v1@205.803,-200.388 ; v1@205.982,-200.568 cw(c206.199,-200.785) 206.199,-200.478 cw(c206.199,-200.171) v1@205.982,-200.388
  Bottom Layer w0.254: v1(205.892,-200.478) 207.222,-200.478 R3.2@207.285,-200.414 ; v1@205.982,-200.568 cw(c206.199,-200.785) 206.199,-200.478 cw(c206.199,-200.171) v1@205.982,-200.388 ; 206.719,-200.478 cw(c206.719,-201.056) R3.2@207.128,-200.647 ; 206.775,-200.478 ccw(c206.775,-199.979) R3.2@207.128,-200.332
MSR5: D14.2 R25.2 R27.2 | length 11.7
  Top Layer w0.254: R27.2@204.553,-204.718 cw(c203.916,-205.354) 204.816,-205.354 cw(c205.717,-205.354) R27.2@205.08,-204.718 ; v1@204.727,-205.431 ccw(c204.51,-205.214) 204.816,-205.214 ccw(c205.123,-205.214) v1@204.906,-205.431 ; v1(204.816,-205.521) R27.2@204.816,-204.304 D14.2@208.259,-204.304 ; R27.2@205.08,-204.568 cw(c205.717,-205.204) 205.717,-204.304 cw(c205.717,-203.403) R27.2@205.08,-204.04
  Bottom Layer w0.254: R25.2@202.566,-205.08 R25.2@202.82,-205.08 203.479,-205.08 203.92,-205.521 v1(204.816,-205.521) ; R25.2@202.978,-205.237 cw(c203.359,-205.618) 203.359,-205.08 cw(c203.359,-204.541) R25.2@202.978,-204.922 ; v1@204.727,-205.61 ccw(c204.51,-205.827) 204.51,-205.521 ccw(c204.51,-205.214) v1@204.727,-205.431
MSR6: D17.2 R32.2 R60.2 | length 8.4
  Top Layer w0.254: R32.2@204.816,-208.13 v1(205.765,-208.13) D17.2@208.259,-208.13 ; R32.2@205.08,-208.393 cw(c205.717,-209.03) 205.717,-208.13 cw(c205.717,-207.229) R32.2@205.08,-207.866 ; v1@205.676,-208.219 ccw(c205.459,-208.436) 205.459,-208.13 ccw(c205.459,-207.823) v1@205.676,-208.04 ; v1@205.855,-208.219 cw(c206.072,-208.436) 206.072,-208.13 cw(c206.072,-207.823) v1@205.855,-208.04
  Bottom Layer w0.254: v1@205.767,-208.128 R60.2@207.059,-208.128 ; v1@205.855,-208.219 cw(c206.077,-208.441) 206.077,-208.128 ; v1@205.855,-208.04 ccw(c206.067,-207.828) 206.067,-208.128 ; R60.2@206.902,-208.285 ccw(c206.521,-208.666) 206.521,-208.128 ccw(c206.521,-207.589) R60.2@206.902,-207.97
MSR7: D19.2 R34.2 R46.2 | length 11
  Top Layer w0.254: R34.2@204.816,-211.956 v1(205.638,-211.956) ; R34.2@205.097,-212.201 cw(c205.638,-212.675) v1(205.638,-211.956) ; R34.2@205.097,-211.71 ccw(c205.638,-211.236) v1(205.638,-211.956) ; v1@205.549,-212.045 ccw(c205.332,-212.262) 205.332,-211.956 ccw(c205.332,-211.649) v1@205.549,-211.866 ; v1@205.728,-212.045 cw(c205.945,-212.262) 205.945,-211.956 cw(c205.945,-211.649) v1@205.728,-211.866 ; D19.2@208.259,-211.956 v1(205.638,-211.956)
  Bottom Layer w0.254: v1@205.549,-212.045 cw(c205.332,-212.262) 205.638,-212.262 cw(c205.945,-212.262) v1@205.728,-212.045 ; v1(205.638,-211.956) 205.638,-214.224 206.273,-214.859 R46.2@207.186,-214.859 ; R46.2@207.029,-215.016 ccw(c206.648,-215.397) 206.648,-214.859 ccw(c206.648,-214.32) R46.2@207.029,-214.701
MSR8: D21.2 P2.1 R36.2 R62.2 | length 24.7
  Top Layer w0.254: P2.1@195.487,-215.789 ccw(c195.05,-215.138) 195.834,-215.138 ; P2.1@195.834,-216.306 195.834,-215.138 ; P2.1@196.181,-215.789 cw(c196.618,-215.138) 195.834,-215.138 ; R36.2@204.553,-215.368 ccw(c203.916,-214.731) 204.816,-214.731 ccw(c205.717,-214.731) R36.2@205.08,-215.368 ; R36.2@205.08,-216.045 cw(c205.717,-216.682) 205.717,-215.781 cw(c205.717,-214.881) R36.2@205.08,-215.518 ; 205.631,-215.781 ccw(c205.631,-215.359) v1@205.93,-215.658 ; v1@206.109,-215.658 ccw(c206.408,-215.359) 206.408,-215.781 ; D21.2@208.259,-215.781 R36.2@204.816,-215.781 204.816,-214.443 204.394,-214.02 196.952,-214.02 195.834,-215.138
  Bottom Layer w0.254: R62.2@203.201,-215.748 v1(206.019,-215.748) ; R62.2@203.359,-215.905 cw(c203.74,-216.286) 203.74,-215.748 cw(c203.74,-215.209) R62.2@203.359,-215.59 ; v1@205.93,-215.837 ccw(c205.713,-216.054) 205.713,-215.748 ccw(c205.713,-215.441) v1@205.93,-215.658
MSTART: R19.2 R189.2 U4.26 U9.6 U54.26 | length 79
  Top Layer w0.254: U9.6@184.859,-143.231 187.935,-143.231 188.9,-144.196 v1(188.9,-151.46) ; U9.6@185.843,-143.338 cw(c186.103,-143.599) 186.103,-143.231 cw(c186.103,-142.863) U9.6@185.843,-143.123 ; v1@188.366,-178.765 cw(c188.366,-179.072) 188.583,-178.855 cw(c188.8,-178.638) v1@188.493,-178.638 ; v1(188.366,-178.638) 188.874,-179.146 200.914,-179.146 201.295,-178.765 U4.26@201.295,-177.516 ; v1@188.81,-151.55 cw(c188.593,-151.767) 188.9,-151.767 cw(c189.206,-151.767) v1@188.99,-151.55 ; v1@188.81,-151.37 ccw(c188.593,-151.154) 188.9,-151.154 ccw(c189.206,-151.154) v1@188.99,-151.37 ; v1@188.925,-151.46 v1(188.9,-151.46) ; v1@201.676,-152.908 cw(c201.369,-152.908) 201.586,-153.125 cw(c201.803,-153.342) v1@201.803,-153.035 ; v1@201.713,-152.818 ccw(c201.496,-152.601) 201.803,-152.601 ccw(c202.11,-152.601) v1@201.893,-152.818 ; U54.26@201.803,-151.735 v1(201.803,-152.908) 201.219,-153.492 190.475,-153.492 188.9,-151.917 v1(188.9,-151.46)
  Bottom Layer w0.254: v1@188.239,-178.638 ccw(c187.933,-178.638) 188.15,-178.421 ccw(c188.366,-178.205) v1@188.366,-178.511 ; v1(188.366,-178.638) 187.858,-178.13 187.858,-152.502 v1(188.9,-151.46) ; v1@188.773,-151.46 cw(c188.466,-151.46) 188.683,-151.677 cw(c188.9,-151.894) v1@188.9,-151.587 ; R189.2@199.989,-153.77 R19.2@201.767,-153.77 v1@201.767,-152.944 ; R189.2@200.222,-153.928 cw(c200.602,-154.309) 200.602,-153.77 cw(c200.602,-153.232) R189.2@200.222,-153.613 ; R19.2@201.534,-153.928 ccw(c201.154,-154.309) 201.154,-153.77 ccw(c201.154,-153.232) R19.2@201.534,-153.613 ; R19.2@201.609,-153.613 ccw(c201.229,-153.232) 201.767,-153.232 ccw(c202.305,-153.232) R19.2@201.925,-153.613 ; 201.767,-153.302 cw(c202.197,-153.302) v1@201.893,-152.998
MSTART_MCU: U9.11 U44.26 | length 100.6
  Top Layer w0.254: U44.26@133.591,-191.178 133.591,-192.824 134.874,-194.107 143.154,-194.107 143.815,-193.446 161.417,-193.446 ; 163.347,-193.446 161.417,-193.446 ; 167.742,-193.446 166.548,-193.446 ; v1@168.631,-192.786 cw(c168.324,-192.786) 168.541,-193.003 cw(c168.758,-193.22) v1@168.758,-192.913 ; v1(168.631,-159.639) 169.164,-159.106 169.164,-144.424 170.358,-143.231 U9.11@175.816,-143.231 ; v1@168.631,-159.512 ccw(c168.631,-159.205) 168.847,-159.422 ccw(c169.064,-159.639) v1@168.758,-159.639 ; v1(168.758,-192.786) 168.097,-193.446 166.548,-193.446 ; U9.11@174.832,-143.338 ccw(c174.572,-143.599) 174.572,-143.231 ccw(c174.572,-142.863) U9.11@174.832,-143.123 ; 161.417,-193.446 166.548,-193.446
  Bottom Layer w0.254: v1@168.631,-159.766 cw(c168.631,-160.073) 168.847,-159.856 cw(c169.064,-159.639) v1@168.758,-159.639 ; v1(168.631,-159.639) 170.307,-161.315 170.307,-191.237 v1(168.758,-192.786) ; v1@168.758,-192.659 ccw(c168.758,-192.352) 168.974,-192.569 ccw(c169.191,-192.786) v1@168.885,-192.786
NetC3_1: C3.1 R1.1 R2.2 | length 7.7
  Bottom Layer w0.254: C3.1@206.788,-191.34 R2.2@208.813,-191.34 R1.1@208.813,-193.015 ; C3.1@207.195,-191.61 cw(c207.849,-192.264) 207.849,-191.34 ; C3.1@207.195,-191.083 ccw(c207.815,-190.463) 207.815,-191.34 ; R2.2@208.581,-191.497 ccw(c208.2,-191.878) 208.2,-191.34 ccw(c208.2,-190.801) R2.2@208.581,-191.182 ; R1.1@208.656,-192.782 ccw(c208.275,-192.401) 208.813,-192.401 ccw(c209.352,-192.401) R1.1@208.971,-192.782 ; R2.2@208.656,-191.497 cw(c208.275,-191.878) 208.813,-191.878 cw(c209.352,-191.878) R2.2@208.971,-191.497
NetC4_1: C4.1 R3.1 R4.2 | length 8
  Bottom Layer w0.254: C4.1@207.106,-198.65 R4.2@208.785,-198.65 R3.1@208.785,-200.414 ; C4.1@207.14,-198.366 ccw(c207.826,-197.68) 207.826,-198.65 ; C4.1@207.32,-198.186 ccw(c208.439,-197.067) R4.2@208.439,-198.65 ; R4.2@208.553,-198.808 ccw(c208.172,-199.189) 208.172,-198.65 ccw(c208.172,-198.112) R4.2@208.553,-198.493 ; R3.1@208.628,-200.182 ccw(c208.247,-199.801) 208.785,-199.801 ccw(c209.324,-199.801) R3.1@208.943,-200.182 ; R4.2@208.628,-198.808 cw(c208.247,-199.189) 208.785,-199.189 cw(c209.324,-199.189) R4.2@208.943,-198.808
NetC5_1: C5.1 R7.1 R8.2 | length 7.9
  Bottom Layer w0.254: C5.1@206.781,-184.353 R8.2@208.812,-184.353 ; C5.1@207.195,-184.617 cw(c207.832,-185.254) 207.832,-184.353 cw(c207.832,-183.453) C5.1@207.195,-184.089 ; 208.197,-184.353 cw(c208.197,-184.896) R8.2@208.581,-184.512 ; 208.203,-184.353 ccw(c208.203,-183.82) R8.2@208.581,-184.197 ; R7.1@208.656,-186.051 ccw(c208.275,-185.67) 208.813,-185.67 ccw(c209.352,-185.67) R7.1@208.971,-186.051 ; R8.2@208.656,-184.512 cw(c208.275,-184.893) 208.813,-184.893 cw(c209.352,-184.893) R8.2@208.971,-184.512 ; R7.1@208.813,-186.284 R8.2@208.813,-184.355
NetC6_2: C6.2 R2.1 U2.3 | length 30.4
  Top Layer w0.254: v1(188.666,-190.146) 188.67,-190.142 U2.3@190.447,-190.142 ; v1@188.756,-190.236 cw(c188.982,-190.462) 188.982,-190.142 ; v1@188.756,-190.056 ccw(c188.963,-189.849) 188.963,-190.142
  Bottom Layer w0.254: v1(188.666,-190.146) 190.959,-190.146 191.668,-190.856 204.495,-190.856 205.13,-190.221 205.13,-189.205 206.019,-188.316 208.178,-188.316 208.813,-188.951 R2.1@208.813,-189.84 210.694,-189.84 C6.2@210.718,-189.864 ; v1@188.756,-190.236 cw(c188.973,-190.453) 188.973,-190.146 cw(c188.973,-189.84) v1@188.756,-190.056 ; R2.1@208.656,-189.682 ccw(c208.275,-189.301) 208.813,-189.301 ccw(c209.352,-189.301) R2.1@208.971,-189.682 ; R2.1@209.046,-189.997 cw(c209.427,-190.378) 209.427,-189.84 cw(c209.427,-189.301) R2.1@209.046,-189.682 ; 210.047,-189.84 cw(c210.047,-190.46) C6.2@210.486,-190.021 ; 210.163,-189.84 ccw(c210.163,-189.383) C6.2@210.486,-189.706
NetC7_2: C7.2 R4.1 U3.5 | length 29
  Top Layer w0.254: v1(189.207,-198.875) U3.5@190.447,-198.875 ; v1@189.297,-198.965 cw(c189.514,-199.182) 189.514,-198.875 cw(c189.514,-198.569) v1@189.297,-198.786
  Bottom Layer w0.254: v1(189.207,-198.875) 190.115,-197.968 201.574,-197.968 202.717,-199.111 205.161,-199.111 205.765,-198.506 205.765,-197.968 206.273,-197.46 208.476,-197.46 R4.1@208.785,-197.15 C7.2@210.309,-197.15 ; v1@189.207,-198.748 ccw(c189.207,-198.442) 189.424,-198.659 ccw(c189.641,-198.875) v1@189.334,-198.875 ; 207.425,-197.46 ccw(c207.425,-195.865) R4.1@208.553,-196.993 ; 208.038,-197.46 ccw(c208.038,-196.478) R4.1@208.732,-197.172 ; R4.1@209.018,-197.308 cw(c209.399,-197.689) 209.399,-197.15 cw(c209.399,-196.612) R4.1@209.018,-196.993 ; C7.2@210.077,-197.308 ccw(c209.696,-197.689) 209.696,-197.15 ccw(c209.696,-196.612) C7.2@210.077,-196.993
NetC8_2: C8.2 R8.1 U2.10 | length 31.8
  Top Layer w0.254: U2.10@184.808,-188.842 v1(186.047,-188.842) ; v1@185.957,-188.932 ccw(c185.741,-189.149) 185.741,-188.842 ccw(c185.741,-188.536) v1@185.957,-188.753
  Bottom Layer w0.254: v1(186.047,-188.842) 187.35,-187.539 187.35,-186.187 188.651,-184.887 195.351,-184.887 197.002,-183.236 208.432,-183.236 R8.1@208.813,-182.855 C8.2@210.694,-182.855 ; v1@186.047,-188.715 ccw(c186.047,-188.409) 186.264,-188.626 ccw(c186.481,-188.842) v1@186.174,-188.842 ; R8.1@209.046,-183.012 cw(c209.427,-183.393) 209.427,-182.855 cw(c209.427,-182.316) R8.1@209.046,-182.697 ; 210.047,-182.855 cw(c210.047,-183.475) C8.2@210.486,-183.036 ; 210.163,-182.855 ccw(c210.163,-182.398) C8.2@210.486,-182.721
NetC12_1: C12.1 R25.1 R26.2 | length 6.3
  Bottom Layer w0.254: C12.1@199.337,-203.278 R26.2@201.32,-203.278 R25.1@201.32,-205.08 ; R26.2@201.088,-203.435 ccw(c200.707,-203.816) 200.707,-203.278 ccw(c200.707,-202.739) R26.2@201.088,-203.12 ; R25.1@201.163,-204.847 ccw(c200.782,-204.466) 201.32,-204.466 ccw(c201.859,-204.466) R25.1@201.478,-204.847 ; R26.2@201.163,-203.435 cw(c200.782,-203.816) 201.32,-203.816 cw(c201.859,-203.816) R26.2@201.478,-203.435
NetC13_1: C13.1 R29.1 R30.2 | length 7.8
  Bottom Layer w0.254: C13.1@199.533,-187.149 R30.2@201.193,-187.149 R29.1@201.193,-188.824 ; C13.1@199.647,-186.944 ccw(c200.14,-186.452) 200.14,-187.149 ; C13.1@199.827,-187.292 cw(c200.174,-187.639) 200.174,-187.149 ; C13.1@199.827,-186.765 ccw(c200.753,-185.838) 200.753,-187.149 ; R30.2@200.961,-187.306 ccw(c200.58,-187.687) 200.58,-187.149 ccw(c200.58,-186.61) R30.2@200.961,-186.991 ; R29.1@201.036,-188.591 ccw(c200.655,-188.21) 201.193,-188.21 ccw(c201.732,-188.21) R29.1@201.351,-188.591 ; R30.2@201.036,-187.306 cw(c200.655,-187.687) 201.193,-187.687 cw(c201.732,-187.687) R30.2@201.351,-187.306
NetC16_2: C16.2 R26.1 U3.3 | length 20.9
  Top Layer w0.254: v1(188.666,-200.179) 188.67,-200.175 U3.3@190.447,-200.175 ; v1@188.756,-200.269 cw(c188.982,-200.495) 188.982,-200.175 ; v1@188.756,-200.089 ccw(c188.963,-199.882) 188.963,-200.175
  Bottom Layer w0.254: v1(188.666,-200.179) 200.611,-200.179 201.32,-200.889 R26.1@201.32,-201.778 203.074,-201.778 C16.2@203.098,-201.802 ; v1@188.756,-200.269 cw(c188.973,-200.486) 188.973,-200.179 cw(c188.973,-199.873) v1@188.756,-200.089 ; R26.1@201.163,-201.62 ccw(c200.782,-201.239) 201.32,-201.239 ccw(c201.859,-201.239) R26.1@201.478,-201.62 ; R26.1@201.553,-201.935 cw(c201.934,-202.316) 201.934,-201.778 cw(c201.934,-201.239) R26.1@201.553,-201.62 ; 202.427,-201.778 cw(c202.427,-202.398) C16.2@202.866,-201.959 ; 202.543,-201.778 ccw(c202.543,-201.321) C16.2@202.866,-201.644